# Altium PCB 电解模块主控板_V1.1_ZM_20210918.PcbDoc (part 3 of 3)
Units mil, origin at the board's own origin, x right, y up, seen from the top; angles counter-clockwise.
Board outline 5915.54 x 3947.37 mil, 2 copper layers (Top Layer, Bottom Layer); 200 components, 151 nets, 656 pads, 1530 vias.
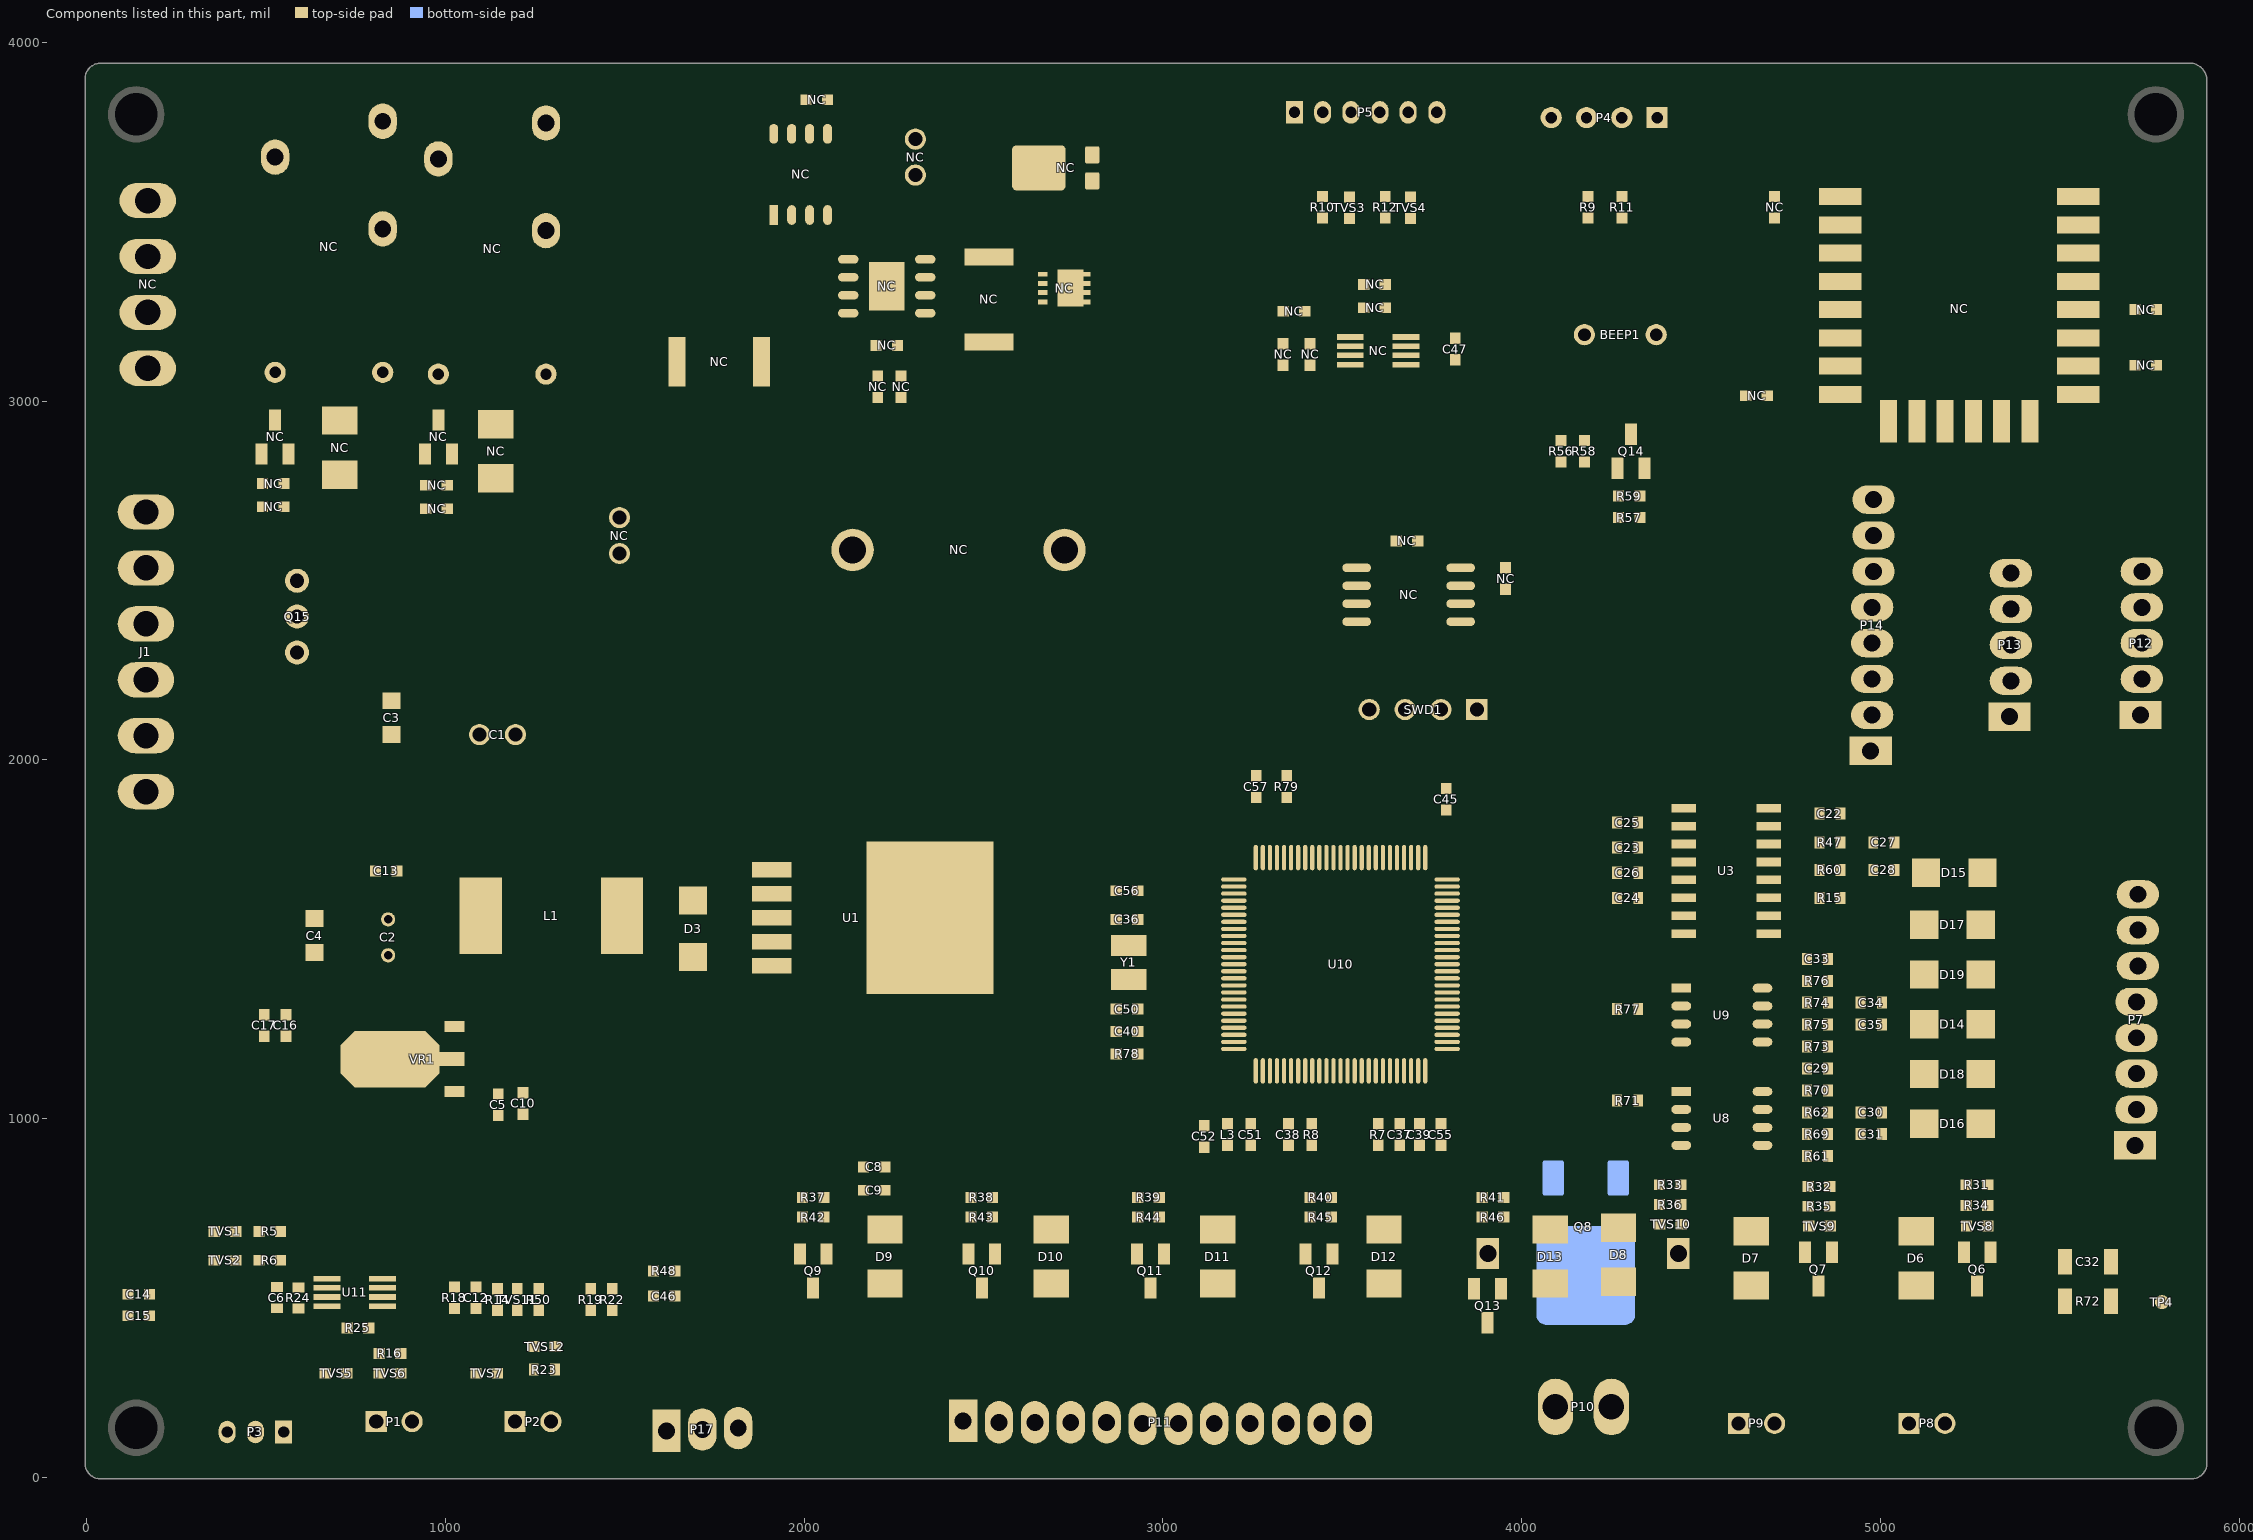
[diagram p3: the components of this part, seen from the top]

## Silkscreen, mask and mechanical layers (free items; w line width, h text height) (continued)
Bottom Solder:
  region: 1020,2340 2085,2340 2220,2475 2220,2805 2195,2830 1805,2830 1565,2590 1020,2590
  region: 675,3910 1630,3910 1875,3665 1965,3665 1985,3645 1985,3485 1975,3475 1700,3475 1172.31,3755 880,3755 826.88,3701.88 675,3701.88 675,3735
  region: 50,3275 920,3275 1170,3525 1330,3525 1380,3475 1380,3240 1280,3140 385,3140 285,3040 30,3040 30,3255
  region: 250,3610 311,3549 890,3549 890,3365 870,3345 30,3345 30,3595 45,3610
  lines w100: 369,2461 369,1224 514,1079 1281,1079 ; 951,256 1282.77,256 ; 979,704 1314,704 ; 1307.34,291.34 1356,340 2643.34,340 ; 2645,340 2872,340 4090,340

## Text inside footprints (layer, text, board x,y; h text height)
C1: Top Overlay "+" at 1118,2042 h60 r180
C2: Top Overlay "+" at 802.29,1523.38 h40 r90
NC: Top Overlay "+" at 2338,3653 h60 r270
NC: Top Overlay "+" at 1513,2598 h60 r270
NC: Top Overlay "COM" at 1000,3485 h31.5 r90
NC: Top Overlay "COM" at 545,3490 h31.5 r90
NC: Top Overlay "ESP8266" at 5065,3270 h40